# KiCad board PCB0210.kicad_pcb
title: USB ARMORY; date: 2019-06-25; rev: MARK II; company: F-Secure; note: Copyright © F-Secure Corporation; note: License: CERN OHL v1.2; note: https://github.com/inversepath/usbarmory
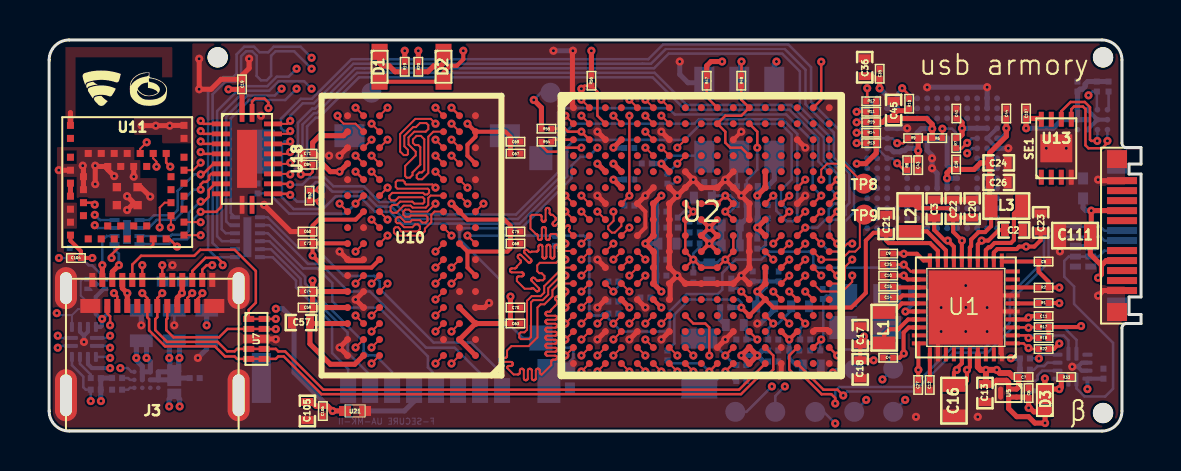
[diagram p0: board, top side]
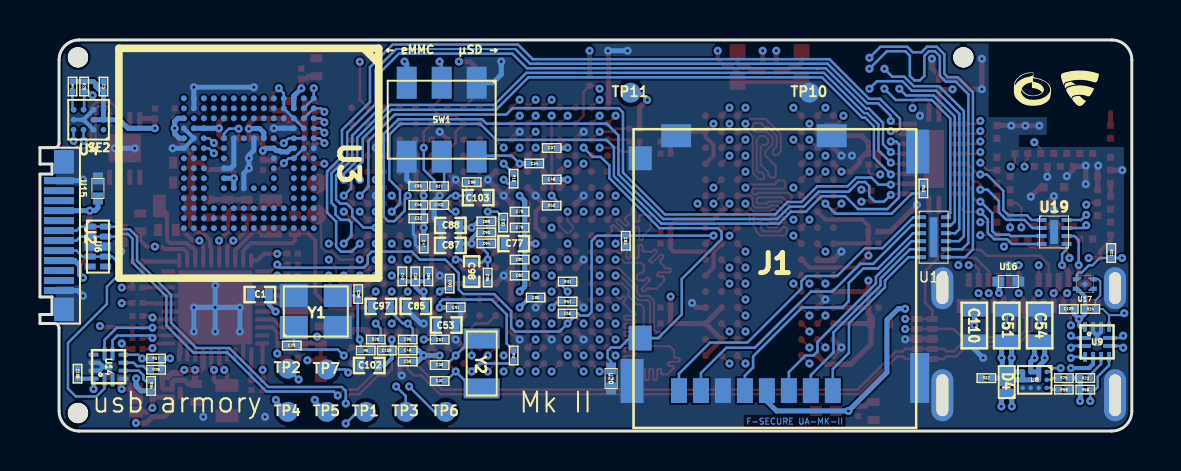
[diagram p1: board, bottom side, seen from below]

Outline 54.63 x 19.57 mm; copper layers: TOP, SIGNAL_1, GND_POWER_1 (plane), GND_POWER_2 (plane), SIGNAL_2, BOTTOM. Coordinates in mm from the lower left corner of the outline.
Outline path: circle c8.43,18.7 r0.5 ; circle c52.73,18.7 r0.5 ; circle c52.73,0.9 r0.5 ; 0,18.57 arc(0.29,19.28) 1,19.57 52.68,19.57 arc(53.38,19.28) 53.68,18.57 53.68,14.41 arc(53.74,14.25) 53.91,14.18 54.63,14.18 54.63,13.36 54.03,13.36 54.03,12.86 54.63,12.86 54.63,6.71 54.03,6.71 54.03,5.83 54.63,5.83 54.63,5.38 53.91,5.38 arc(53.74,5.31) 53.68,5.15 53.68,1 arc(53.38,0.29) 52.68,0 1,0 arc(0.29,0.29) 0,1 0,18.57

## Placement (name value [footprint] x y rotation side)
C1  4.7uF  [SM0402]  43.63 6.83 0 bottom
C2  4.7uF  [SM0402]  48.27 10.06 0 top
C3  4.7uF  [SM0402]  44.28 11.13 90 top
C4  1uF  [SM0201]  41.98 3.67 180 top
C5  0.1uF  [SM0201]  51.45 17.24 90 bottom
C6  0.1uF  [SM0201]  49 1.9 90 top
C7  0.1uF  [SM0201]  48.75 2.7 0 top
C8  1uF  [SM0201]  49.75 8.48 0 top
C9  1uF  [SM0201]  41.98 8.88 180 top
C10  1uF  [SM0201]  41.98 7.78 180 top
C11  0.1uF  [SM0201]  49.75 5.75 0 top
C12  0.1uF  [SM0201]  44.06 2.3 270 top
C13  2.2uF  [SM0402]  46.82 1.9 270 top
C14  1uF  [SM0201]  41.98 6.68 180 top
C15  1uF  [SM0201]  41.98 7.23 180 top
C16  47uF  [SM0603]  45.27 1.52 270 top
C17  10uF  [SM0402]  40.58 4.79 90 top
C18  10uF  [SM0402]  40.58 3.09 270 top
C19  0.1uF  [SM0201]  9.65 17.35 90 top
C20  10uF  [SM0402]  46.18 11.13 90 top
C21  10uF  [SM0402]  41.88 10.37 90 top
C22  10uF  [SM0402]  45.23 11.13 90 top
C23  4.7uF  [SM0402]  49.61 10.44 90 top
C24  10uF  [SM0402]  47.51 13.42 0 top
C25  1uF  [SM0201]  41.98 8.33 180 top
C26  10uF  [SM0402]  47.51 12.44 0 top
C27  0.47uF  [SM0201]  43.48 2.3 270 top
C28  16pF  [SM0201]  38.71 6.86 90 bottom
C29  16pF  [SM0201]  42.03 4.28 0 bottom
C30  18pF  [SM0201]  34.63 3.3 0 bottom
C31  18pF  [SM0201]  34.63 2.5 0 bottom
C33  0.22uF  [SM0201]  35.7 10.64 0 bottom
C34  0.22uF  [SM0201]  29.9 13.39 180 bottom
C35  0.1uF  [SM0201]  41.56 17.88 90 top
C36  4.7uF  [SM0402]  40.81 18.2 90 top
C37  0.22uF  [SM0201]  29.03 14.16 0 bottom
C38  1uF  [SM0201]  35.85 7.74 90 bottom
C39  0.1uF  [SM0201]  45.38 13.34 90 top
C40  0.1uF  [SM0201]  36.5 7.74 90 bottom
C41  0.1uF  [SM0201]  45.39 15.89 90 top
C43  0.1uF  [SM0201]  43.48 13.3 270 top
C44  0.1uF  [SM0201]  47.89 15.89 90 top
C45  10uF  [SM0402]  42.25 16.06 90 top
C46  0.22uF  [SM0201]  35.7 11.31 0 bottom
C47  0.22uF  [SM0201]  35.43 9.38 270 bottom
C48  0.22uF  [SM0201]  29.03 12.59 0 bottom
C49  1uF  [SM0201]  36.23 4.03 0 bottom
C50  1uF  [SM0201]  36.23 3.48 0 bottom
C51  4.7uF  [SM0603]  6.26 5.28 90 bottom
C52  0.1uF  [SM0201]  34.63 4.58 180 bottom
C53  10uF  [SM0402]  34.31 5.3 180 bottom
C54  4.7uF  [SM0603]  4.61 5.28 90 bottom
C55  0.22uF  [SM0201]  35.71 12.25 0 bottom
C57  22uF  [SM0402]  12.6 5.43 180 top
C59  0.22uF  [SM0201]  12.93 6.18 180 top
C60  0.22uF  [SM0201]  12.93 9.98 180 top
C63  0.22uF  [SM0201]  23.33 5.38 0 top
C66  0.22uF  [SM0201]  28.23 5.88 0 bottom
C67  0.22uF  [SM0201]  23.33 13.88 0 top
C68  0.22uF  [SM0201]  23.33 9.38 0 top
C69  0.22uF  [SM0201]  23.33 14.48 0 top
C70  0.22uF  [SM0201]  23.33 6.18 0 top
C71  0.22uF  [SM0201]  12.93 13.88 180 top
C73  0.22uF  [SM0201]  12.93 9.38 180 top
C74  0.22uF  [SM0201]  12.93 6.98 180 top
C75  0.22uF  [SM0201]  23.33 9.98 0 top
C77  22uF  [SM0402]  30.93 9.38 0 bottom
C78  0.22uF  [SM0201]  30.63 10.98 0 bottom
C79  0.22uF  [SM0201]  30.63 10.18 0 bottom
C80  0.22uF  [SM0201]  29.83 6.68 180 bottom
C81  0.22uF  [SM0201]  30.63 8.58 0 bottom
C82  0.22uF  [SM0201]  30.63 7.78 0 bottom
C83  0.22uF  [SM0201]  25.32 9.52 270 bottom
C84  0.22uF  [SM0201]  12.93 13.33 180 top
C85  4.7uF  [SM0402]  35.83 6.24 0 bottom
C86  0.22uF  [SM0201]  35.2 7.74 90 bottom
C87  22uF  [SM0402]  34.1 9.29 0 bottom
C88  4.7uF  [SM0402]  34.1 10.29 0 bottom
C89  0.22uF  [SM0201]  32.3 10.49 180 bottom
C90  0.22uF  [SM0201]  32.3 9.94 180 bottom
C91  0.22uF  [SM0201]  33.83 6.19 180 bottom
C92  0.22uF  [SM0201]  31.46 10.43 270 bottom
C93  0.22uF  [SM0201]  34.13 7.38 90 bottom
C94  0.22uF  [SM0201]  32.3 9.39 180 bottom
C95  0.22uF  [SM0201]  36.23 4.58 0 bottom
C96  0.22uF  [SM0201]  32.23 7.68 270 bottom
C97  10uF  [SM0402]  37.58 6.24 0 bottom
C98  22uF  [SM0402]  33.03 7.98 270 bottom
C99  0.22uF  [SM0201]  33.03 12.45 180 bottom
C100  0.22uF  [SM0201]  37.28 4.03 0 bottom
C101  0.22uF  [SM0201]  34.65 11.31 0 bottom
C102  10uF  [SM0402]  38.16 3.28 0 bottom
C103  22uF  [SM0402]  32.71 11.68 180 bottom
C104  0.1uF  [SM0201]  1.34 8.66 180 top
C105  10uF  [SM0402]  12.92 1 270 top
C106  0.1uF  [SM0201]  13.69 1 270 top
C107  0.1uF  [SM0201]  48.88 15.89 90 top
C108  0.1uF  [SM0201]  52.75 2.87 90 bottom
C109  0.1uF  [SM0201]  3.16 6.11 0 bottom
C110  4.7uF  [SM0603]  7.88 5.28 270 bottom
C111  4.7uF  [SM0603]  51.33 9.78 180 top
D1  WHITE  [SM0603_LED]  16.53 18.23 270 top
D2  BLUE  [SM0603_LED]  19.73 18.23 270 top
D3  NSR20F30NXT5G  [DSN2]  49.82 1.6 90 top
D4  NSR20F30NXT5G  [DSN2]  6.26 2.5 90 bottom
FSC_LOGO_NO_TEXT_SMALL  G***  [FSC_LOGO_NO_TEXT_SMALL]  2.62 17.17 0 top
FSC_LOGO_NO_TEXT_SMALL#2  G***  [FSC_LOGO_NO_TEXT_SMALL]  2.6 17.17 180 bottom
J1  microSD slot  [MOLEX_503182-1852]  17.86 8.38 0 bottom
J2  USBC-PLUG  [WURTH_632712000011]  54.63 9.78 90 bottom
J3  USBC-RECEPTACLE  [MOLEX_105450-0101]  5.16 0.02 0 top
L1  1uH  [SM0603]  41.78 5.17 270 top
L2  1uH  [SM0603]  43.08 10.75 90 top
L3  1uH  [SM0603]  47.89 11.26 180 top
R1  100K  [SM0201]  49.75 6.41 180 top
R2  100K  [SM0201]  49.75 7.18 180 top
R3  10K  [SM0201]  30.93 3.78 270 bottom
R4  10K  [SM0201]  53 17.24 270 bottom
R5  2.2M  [SM0201]  38.33 4.03 180 bottom
R6  10K  [SM0201]  44.44 14.66 0 top
R7  10K  [SM0201]  45.38 14.41 270 top
R8  10K  [SM0201]  42.93 13.3 270 top
R9  10K  [SM0201]  43.23 14.66 180 top
R10  10K  [SM0201]  43.03 16.38 90 top
R11  10K  [SM0201]  41.13 15.98 180 top
R12  10K  [SM0201]  41.13 16.5 180 top
R13  10K  [SM0201]  41.13 14.41 180 top
R14  10K  [SM0201]  41.13 14.93 180 top
R15  10K  [SM0201]  41.13 15.45 180 top
R16  22R  [SM0201]  30.93 12.63 90 bottom
R17  4.7K  [SM0201]  49.75 5.2 180 top
R18  4.7K  [SM0201]  49.75 4.66 180 top
R19  698R  [SM0201]  17.79 18.23 90 top
R20  91R  [SM0201]  18.47 18.23 90 top
R21  10K  [SM0201]  1.03 8.91 90 bottom
R22  100K  [SM0201]  49.75 4.11 180 top
R23  10K  [SM0201]  2.33 2.65 180 bottom
R24  10K  [SM0201]  2.08 6.11 180 bottom
R25  10K  [SM0201]  3.4 2.65 0 bottom
R26  10K  [SM0201]  37.83 4.58 0 bottom
R27  10K  [SM0201]  34.66 12.25 180 bottom
R28  10K  [SM0201]  48.82 3.07 0 bottom
R29  10K  [SM0201]  52.42 17.24 270 bottom
R31  10K  [SM0201]  28.23 7.48 180 bottom
R32  100K  [SM0201]  7.28 2.65 0 bottom
R33  100K  [SM0201]  50.89 2.7 0 top
R34  1M  [SM0201]  49.07 2.26 90 bottom
R47  10K  [SM0201]  32.9 17.53 90 top
R48  10K  [SM0201]  34.63 17.53 90 top
R50  10K  [SM0201]  29.03 11.28 0 bottom
R51  240R  [SM0201]  28.23 6.48 180 bottom
R52  470R  [SM0201]  13.03 11.78 90 top
R53  240R  [SM0201]  10.43 12.14 90 bottom
R54  22R  [SM0201]  24.88 14.48 0 top
R55  10K  [SM0201]  24.88 15.13 0 top
R56  10K  [SM0201]  27.13 17.53 270 top
R57  10K  [SM0201]  48.82 3.63 0 bottom
R58  10K  [SM0201]  2.33 2.07 180 bottom
R59  33K  [SM0201]  3.4 2.07 180 bottom
Ref**  Val**  [IP_LOGO_NO_TEXT_SMALL]  3.9 17.11 0 top
REF**  -  [MountingHole_1mm]  52.73 18.7 0 top
REF**#2  -  [MountingHole_1mm]  8.43 18.7 0 top
Ref**#2  Val**  [IP_LOGO_NO_TEXT_SMALL]  6.04 17.11 180 bottom
REF**#3  -  [MountingHole_1mm]  52.73 0.9 0 top
SW1  CAS-220TA  [CAS-220-A]  34.53 15.58 0 bottom
TP1  TestPoint  [TP]  38.33 0.95 0 bottom
TP2  TestPoint  [TP]  42.23 3.12 0 bottom
TP3  TestPoint  [TP]  36.33 0.96 0 bottom
TP4  TestPoint  [TP]  42.23 0.96 0 bottom
TP5  TestPoint  [TP]  40.28 0.96 0 bottom
TP6  TestPoint  [TP]  34.33 0.96 0 bottom
TP7  TestPoint  [TP]  40.28 3.08 0 bottom
TP8  TestPoint  [TP]  40.76 12.38 0 top
TP9  TestPoint  [TP]  40.78 10.83 0 top
TP10  TestPoint  [TP]  16.13 16.93 0 bottom
TP11  TestPoint  [TP]  25.08 16.93 0 bottom
U1  MC34PF1510A6EP  [SOT1369-4]  45.87 6.19 180 top
U2  MX6UL-VM  [SOT1534-2]  32.63 9.78 0 top
U3  EMMC16G  [FBGA-153]  44.18 13.4 270 bottom
U4  A71CH  [SOT1999-1]  52.2 15.58 0 bottom
U5  FPF2286UCX  [WLCSP-6]  48 1.9 270 top
U6  TPD4E05U06-Q1  [DQA-USON-10]  51.73 9.23 270 bottom
U7  TPD4E05U06-Q1  [DQA-USON-10]  10.37 4.61 270 top
U8  NX5P3090  [SOT1390-5]  4.86 2.56 0 bottom
U9  FUSB303  [RWB-QFN-12]  1.74 4.46 180 bottom
U10  MT41K256M16  [MICRON-FBGA-96]  22.63 16.78 180 top
U11  -  [ANNA-B112]  0.66 9.2 0 top
U12  TPD6F003  [WSON-12]  9.92 9.7 180 bottom
U13  ATECC608A  [UDFN-8]  50.39 14.15 0 top
U14  TUSB320  [RWB-QFN-12]  51.2 3.22 90 bottom
U15  TPD1E10B06  [X1SON-2]  51.73 12.14 90 bottom
U16  TPD1E10B06  [X1SON-2]  6.18 7.48 180 bottom
U17  SN74LVC1G04  [X2SON-4]  2.36 7.36 0 bottom
U18  FSA1208  [MLP-20]  9.9 13.62 270 top
U19  TPD8E003  [WSON-8]  3.89 9.96 180 bottom
U20  TPD1E10B06  [X1SON-2]  26.06 2.63 270 bottom
U21  TPD1E10B06  [X1SON-2]  15.31 1 0 top
Y1  24MHz  [TSX-3225]  40.83 5.98 180 bottom
Y2  32.768kHz  [CM7V-T1A]  32.53 3.38 270 bottom

## Footprints (pads in the part's own frame, mm; a bottom-side part is the same pattern mirrored in y, then rotated)
ANNA-B112
  rect 0.35x0.35 smd: 1(0.41,6.09) 2(0.41,5.44) 3(0.41,4.498) 4(0.41,3.848) 5(0.41,3.198) 6(0.41,2.548) 7(0.41,1.898) 8(0.41,1.248) 9(0.41,0.598) 10(1.06,3.523) 11(1.06,2.873) 12(1.06,2.223) 13(1.06,1.573) 14(1.3,0.41) 15(1.95,0.41) 16(2.6,0.41) 17(3.25,0.41) 18(3.9,0.41) 19(4.55,0.41) 20(5.2,0.41) 21(2.275,1.06) 22(2.925,1.06) 23(3.575,1.06) 24(4.225,1.06) 25(6.09,0.598) 26(6.09,1.248) 27(6.09,1.898) 28(6.09,2.548) 29(6.09,3.198) 30(6.09,3.848) 31(6.09,4.498) 32(6.09,5.44) 33(6.09,6.09) 34(5.44,1.573) 35(5.44,2.223) 36(5.44,2.873) 37(5.44,3.523) 38(5.2,4.685) 39(4.55,4.685) 40(3.9,4.685) 41(3.25,4.685) 42(2.6,4.685) 43(1.95,4.685) 44(1.3,4.685) 45(4.225,4.035) 46(3.575,4.035) 47(2.925,4.035) 48(2.275,4.035)
  rect 0.42x0.42 smd: 49(2.73,2.998) 50(2.73,2.098) 51(3.77,2.098) 52(3.77,2.998)
CAS-220-A
  rect 1x1.6 smd: 1(-1.75,-1.85) 2(0,-1.85) 3(1.75,-1.85) 4(-1.75,1.85) 5(0,1.85) 6(1.75,1.85)
CM7V-T1A
  rect 1x1.8 smd: 1(-1.25,0) 2(1.25,0)
DQA-USON-10
  rect 0.3x0.55 smd: 1(-1,-0.385) 2(-0.5,-0.385) 4(0.5,-0.385) 5(1,-0.385) 6(1,0.385) 7(0.5,0.385) 9(-0.5,0.385) 10(-1,0.385)
  rect 0.4x0.55 smd: 3(0,-0.385) 8(0,0.385)
DSN2
  rect 0.52x0.7 smd: 1(-0.64,0)
  rect 1.05x0.7 smd: 2(0.275,0)
FBGA-153
  round 0.3 smd: A1(-3.25,3.25) A2(-2.75,3.25) A3(-2.25,3.25) A4(-1.75,3.25) A5(-1.25,3.25) A6(-0.75,3.25) A7(-0.25,3.25) A8(0.25,3.25) A9(0.75,3.25) A10(1.25,3.25) A11(1.75,3.25) A12(2.25,3.25) A13(2.75,3.25) A14(3.25,3.25) B1(-3.25,2.75) B2(-2.75,2.75) B3(-2.25,2.75) B4(-1.75,2.75) B5(-1.25,2.75) B6(-0.75,2.75) B7(-0.25,2.75) B8(0.25,2.75) B9(0.75,2.75) B10(1.25,2.75) B11(1.75,2.75) B12(2.25,2.75) B13(2.75,2.75) B14(3.25,2.75) C1(-3.25,2.25) C2(-2.75,2.25) C3(-2.25,2.25) C4(-1.75,2.25) C5(-1.25,2.25) C6(-0.75,2.25) C7(-0.25,2.25) C8(0.25,2.25) C9(0.75,2.25) C10(1.25,2.25) C11(1.75,2.25) C12(2.25,2.25) C13(2.75,2.25) C14(3.25,2.25) D1(-3.25,1.75) D2(-2.75,1.75) D3(-2.25,1.75) D4(-1.75,1.75) D12(2.25,1.75) D13(2.75,1.75) D14(3.25,1.75) E1(-3.25,1.25) E2(-2.75,1.25) E3(-2.25,1.25) E5(-1.25,1.25) E6(-0.75,1.25) E7(-0.25,1.25) E8(0.25,1.25) E9(0.75,1.25) E10(1.25,1.25) E12(2.25,1.25) E13(2.75,1.25) E14(3.25,1.25) F1(-3.25,0.75) F2(-2.75,0.75) F3(-2.25,0.75) F5(-1.25,0.75) F10(1.25,0.75) F12(2.25,0.75) F13(2.75,0.75) F14(3.25,0.75) G1(-3.25,0.25) G2(-2.75,0.25) G3(-2.25,0.25) G5(-1.25,0.25) G10(1.25,0.25) G12(2.25,0.25) G13(2.75,0.25) G14(3.25,0.25) H1(-3.25,-0.25) H2(-2.75,-0.25) H3(-2.25,-0.25) H5(-1.25,-0.25) H10(1.25,-0.25) H12(2.25,-0.25) H13(2.75,-0.25) H14(3.25,-0.25) J1(-3.25,-0.75) J2(-2.75,-0.75) J3(-2.25,-0.75) J5(-1.25,-0.75) J10(1.25,-0.75) J12(2.25,-0.75) J13(2.75,-0.75) J14(3.25,-0.75) K1(-3.25,-1.25) K2(-2.75,-1.25) K3(-2.25,-1.25) K5(-1.25,-1.25) K6(-0.75,-1.25) K7(-0.25,-1.25) K8(0.25,-1.25) K9(0.75,-1.25) K10(1.25,-1.25) K12(2.25,-1.25) K13(2.75,-1.25) K14(3.25,-1.25) L1(-3.25,-1.75) L2(-2.75,-1.75) L3(-2.25,-1.75) L12(2.25,-1.75) L13(2.75,-1.75) L14(3.25,-1.75) M1(-3.25,-2.25) M2(-2.75,-2.25) M3(-2.25,-2.25) M4(-1.75,-2.25) M5(-1.25,-2.25) M6(-0.75,-2.25) M7(-0.25,-2.25) M8(0.25,-2.25) M9(0.75,-2.25) M10(1.25,-2.25) M11(1.75,-2.25) M12(2.25,-2.25) M13(2.75,-2.25) M14(3.25,-2.25) N1(-3.25,-2.75) N2(-2.75,-2.75) N3(-2.25,-2.75) N4(-1.75,-2.75) N5(-1.25,-2.75) N6(-0.75,-2.75) N7(-0.25,-2.75) N8(0.25,-2.75) N9(0.75,-2.75) N10(1.25,-2.75) N11(1.75,-2.75) N12(2.25,-2.75) N13(2.75,-2.75) N14(3.25,-2.75) P1(-3.25,-3.25) P2(-2.75,-3.25) P3(-2.25,-3.25) P4(-1.75,-3.25) P5(-1.25,-3.25) P6(-0.75,-3.25) P7(-0.25,-3.25) P8(0.25,-3.25) P9(0.75,-3.25) P10(1.25,-3.25) P11(1.75,-3.25) P12(2.25,-3.25) P13(2.75,-3.25) P14(3.25,-3.25)
MICRON-FBGA-96
  round 0.35 smd: A1(1.3,13) A2(2.1,13) A3(2.9,13) A7(6.1,13) A8(6.9,13) A9(7.7,13) B1(1.3,12.2) B2(2.1,12.2) B3(2.9,12.2) B7(6.1,12.2) B8(6.9,12.2) B9(7.7,12.2) C1(1.3,11.4) C2(2.1,11.4) C3(2.9,11.4) C7(6.1,11.4) C8(6.9,11.4) C9(7.7,11.4) D1(1.3,10.6) D2(2.1,10.6) D3(2.9,10.6) D7(6.1,10.6) D8(6.9,10.6) D9(7.7,10.6) E1(1.3,9.8) E2(2.1,9.8) E3(2.9,9.8) E7(6.1,9.8) E8(6.9,9.8) E9(7.7,9.8) F1(1.3,9) F2(2.1,9) F3(2.9,9) F7(6.1,9) F8(6.9,9) F9(7.7,9) G1(1.3,8.2) G2(2.1,8.2) G3(2.9,8.2) G7(6.1,8.2) G8(6.9,8.2) G9(7.7,8.2) H1(1.3,7.4) H2(2.1,7.4) H3(2.9,7.4) H7(6.1,7.4) H8(6.9,7.4) H9(7.7,7.4) J1(1.3,6.6) J2(2.1,6.6) J3(2.9,6.6) J7(6.1,6.6) J8(6.9,6.6) J9(7.7,6.6) K1(1.3,5.8) K2(2.1,5.8) K3(2.9,5.8) K7(6.1,5.8) K8(6.9,5.8) K9(7.7,5.8) L1(1.3,5) L2(2.1,5) L3(2.9,5) L7(6.1,5) L8(6.9,5) L9(7.7,5) M1(1.3,4.2) M2(2.1,4.2) M3(2.9,4.2) M7(6.1,4.2) M8(6.9,4.2) M9(7.7,4.2) N1(1.3,3.4) N2(2.1,3.4) N3(2.9,3.4) N7(6.1,3.4) N8(6.9,3.4) N9(7.7,3.4) P1(1.3,2.6) P2(2.1,2.6) P3(2.9,2.6) P7(6.1,2.6) P8(6.9,2.6) P9(7.7,2.6) R1(1.3,1.8) R2(2.1,1.8) R3(2.9,1.8) R7(6.1,1.8) R8(6.9,1.8) R9(7.7,1.8) T1(1.3,1) T2(2.1,1) T3(2.9,1) T7(6.1,1) T8(6.9,1) T9(7.7,1)
MLP-20
  rect 0.9x0.24 smd: 1(-2.3,-0.25) 10(2.3,-0.25) 11(2.3,0.25) 20(-2.3,0.25)
  rect 0.24x0.9 smd: 2(-1.75,-1.3) 3(-1.25,-1.3) 4(-0.75,-1.3) 5(-0.25,-1.3) 6(0.25,-1.3) 7(0.75,-1.3) 8(1.25,-1.3) 9(1.75,-1.3) 12(1.75,1.3) 13(1.25,1.3) 14(0.75,1.3) 15(0.25,1.3) 16(-0.25,1.3) 17(-0.75,1.3) 18(-1.25,1.3) 19(-1.75,1.3)
  rect 2.9x1 smd: 21(0,0)
MOLEX_105450-0101
  rect 0.3x0.7 smd: A1(-3,7.54) A2(-2.5,7.54) A3(-2,7.54) A4(-1.5,7.54) A5(-1,7.54) A6(-0.5,7.54) A7(0.5,7.54) A8(1,7.54) A9(1.5,7.54) A10(2,7.54) A11(2.5,7.54) A12(3,7.54) B2(2.25,6.24) B3(1.75,6.24) B4(1.25,6.24) B5(0.75,6.24) B6(0.25,6.24) B7(-0.25,6.24) B8(-0.75,6.24) B9(-1.25,6.24) B10(-1.75,6.24) B11(-2.25,6.24)
  rect 1x0.7 smd: B1(3.1,6.24) B12(-3.1,6.24)
  oval 1.1x2.1 hole 0.6x1.6: S(-4.32,7.13) S(4.32,7.13)
  oval 1.1x2.6 hole 0.6x2.1: S(-4.32,1.77) S(4.32,1.77)
MOLEX_503182-1852
  rect 0.8x1.24 smd: 1(-2.9,6.355) 2(-1.8,6.355) 3(-0.7,6.355) 4(0.4,6.355) 5(1.5,6.355) 6(2.6,6.355) 7(3.7,6.355) 8(4.8,6.355)
  rect 1.16x1.2 smd: DT(6.74,-5.275)
  rect 0.95x2.5 smd: P1(-7.245,5.725)
  rect 1.15x2.2 smd: P2(7.145,5.875) P3(-7.145,-5.605)
  rect 1.5x1.15 smd: P4(-2.84,-6.4) P5(4.94,-6.4)
  rect 1.16x1.25 smd: SW(6.74,3.725)
MountingHole_1mm
  round 1 hole 1 unplated: (0,0)
RWB-QFN-12
  rrect 0.7x0.2 smd: 1(-0.65,0.2) 2(-0.65,-0.2) 7(0.65,-0.2) 8(0.65,0.2)
  rrect 0.2x0.5 smd: 3(-0.6,-0.75) 4(-0.2,-0.75) 5(0.2,-0.75) 6(0.6,-0.75) 9(0.6,0.75) 10(0.2,0.75) 11(-0.2,0.75) 12(-0.6,0.75)
SM0201
  rect 0.3x0.3 smd: 1(-0.25,0) 2(0.25,0)
SM0402
  rect 0.399x0.599 smd: 1(-0.45,0) 2(0.45,0)
SM0603
  rect 0.635x1.143 smd: 1(-0.762,0) 2(0.762,0)
SM0603_LED
  rect 0.8x0.8 smd: 1(-0.75,0) 2(0.75,0)
SOT1369-4
  rect 0.7x0.2 smd: 1(-2.35,1.8) 2(-2.35,1.4) 3(-2.35,1) 4(-2.35,0.6) 5(-2.35,0.2) 6(-2.35,-0.2) 7(-2.35,-0.6) 8(-2.35,-1) 9(-2.35,-1.4) 10(-2.35,-1.8) 21(2.35,-1.8) 22(2.35,-1.4) 23(2.35,-1) 24(2.35,-0.6) 25(2.35,-0.2) 26(2.35,0.2) 27(2.35,0.6) 28(2.35,1) 29(2.35,1.4) 30(2.35,1.8)
  rect 0.2x0.7 smd: 11(-1.8,-2.35) 12(-1.4,-2.35) 13(-1,-2.35) 14(-0.6,-2.35) 15(-0.2,-2.35) 16(0.2,-2.35) 17(0.6,-2.35) 18(1,-2.35) 19(1.4,-2.35) 20(1.8,-2.35) 31(1.8,2.35) 32(1.4,2.35) 33(1,2.35) 34(0.6,2.35) 35(0.2,2.35) 36(-0.2,2.35) 37(-0.6,2.35) 38(-1,2.35) 39(-1.4,2.35) 40(-1.8,2.35)
  rect 3.7x3.7 smd: 41(0,0)
SOT1390-5
  round 0.23 smd: A1(-0.6,-0.4) A2(-0.6,0) A3(-0.6,0.4) B1(-0.2,-0.4) B2(-0.2,0) B3(-0.2,0.4) C1(0.2,-0.4) C2(0.2,0) C3(0.2,0.4) D1(0.6,-0.4) D2(0.6,0) D3(0.6,0.4)
SOT1534-2
  round 0.35 smd: A1(-6.4,6.4) A2(-5.6,6.4) A3(-4.8,6.4) A4(-4,6.4) A5(-3.2,6.4) A6(-2.4,6.4) A7(-1.6,6.4) A8(-0.8,6.4) A9(0,6.4) A10(0.8,6.4) A11(1.6,6.4) A12(2.4,6.4) A13(3.2,6.4) A14(4,6.4) A15(4.8,6.4) A16(5.6,6.4) A17(6.4,6.4) B1(-6.4,5.6) B2(-5.6,5.6) B3(-4.8,5.6) B4(-4,5.6) B5(-3.2,5.6) B6(-2.4,5.6) B7(-1.6,5.6) B8(-0.8,5.6) B9(0,5.6) B10(0.8,5.6) B11(1.6,5.6) B12(2.4,5.6) B13(3.2,5.6) B14(4,5.6) B15(4.8,5.6) B16(5.6,5.6) B17(6.4,5.6) C1(-6.4,4.8) C2(-5.6,4.8) C3(-4.8,4.8) C4(-4,4.8) C5(-3.2,4.8) C6(-2.4,4.8) C7(-1.6,4.8) C8(-0.8,4.8) C9(0,4.8) C10(0.8,4.8) C11(1.6,4.8) C12(2.4,4.8) C13(3.2,4.8) C14(4,4.8) C15(4.8,4.8) C16(5.6,4.8) C17(6.4,4.8) D1(-6.4,4) D2(-5.6,4) D3(-4.8,4) D4(-4,4) D5(-3.2,4) D6(-2.4,4) D7(-1.6,4) D8(-0.8,4) D9(0,4) D10(0.8,4) D11(1.6,4) D12(2.4,4) D13(3.2,4) D14(4,4) D15(4.8,4) D16(5.6,4) D17(6.4,4) E1(-6.4,3.2) E2(-5.6,3.2) E3(-4.8,3.2) E4(-4,3.2) E5(-3.2,3.2) E6(-2.4,3.2) E7(-1.6,3.2) E8(-0.8,3.2) E9(0,3.2) E10(0.8,3.2) E11(1.6,3.2) E12(2.4,3.2) E13(3.2,3.2) E14(4,3.2) E15(4.8,3.2) E16(5.6,3.2) E17(6.4,3.2) F1(-6.4,2.4) F2(-5.6,2.4) F3(-4.8,2.4) F4(-4,2.4) F5(-3.2,2.4) F6(-2.4,2.4) F7(-1.6,2.4) F8(-0.8,2.4) F9(0,2.4) F10(0.8,2.4) F11(1.6,2.4) F12(2.4,2.4) F13(3.2,2.4) F14(4,2.4) F15(4.8,2.4) F16(5.6,2.4) F17(6.4,2.4) G1(-6.4,1.6) G2(-5.6,1.6) G3(-4.8,1.6) G4(-4,1.6) G5(-3.2,1.6) G6(-2.4,1.6) G7(-1.6,1.6) G8(-0.8,1.6) G9(0,1.6) G10(0.8,1.6) G11(1.6,1.6) G12(2.4,1.6) G13(3.2,1.6) G14(4,1.6) G15(4.8,1.6) G16(5.6,1.6) G17(6.4,1.6) H1(-6.4,0.8) H2(-5.6,0.8) H3(-4.8,0.8) H4(-4,0.8) H5(-3.2,0.8) H6(-2.4,0.8) H7(-1.6,0.8) H8(-0.8,0.8) H9(0,0.8) H10(0.8,0.8) H11(1.6,0.8) H12(2.4,0.8) H13(3.2,0.8) H14(4,0.8) H15(4.8,0.8) H16(5.6,0.8) H17(6.4,0.8) J1(-6.4,0) J2(-5.6,0) J3(-4.8,0) J4(-4,0) J5(-3.2,0) J6(-2.4,0) J7(-1.6,0) J8(-0.8,0) J9(0,0) J10(0.8,0) J11(1.6,0) J12(2.4,0) J13(3.2,0) J14(4,0) J15(4.8,0) J16(5.6,0) J17(6.4,0) K1(-6.4,-0.8) K2(-5.6,-0.8) K3(-4.8,-0.8) K4(-4,-0.8) K5(-3.2,-0.8) K6(-2.4,-0.8) K7(-1.6,-0.8) K8(-0.8,-0.8) K9(0,-0.8) K10(0.8,-0.8) K11(1.6,-0.8) K12(2.4,-0.8) K13(3.2,-0.8) K14(4,-0.8) K15(4.8,-0.8) K16(5.6,-0.8) K17(6.4,-0.8) L1(-6.4,-1.6) L2(-5.6,-1.6) L3(-4.8,-1.6) L4(-4,-1.6) L5(-3.2,-1.6) L6(-2.4,-1.6) L7(-1.6,-1.6) L8(-0.8,-1.6) L9(0,-1.6) L10(0.8,-1.6) L11(1.6,-1.6) L12(2.4,-1.6) L13(3.2,-1.6) L14(4,-1.6) L15(4.8,-1.6) L16(5.6,-1.6) L17(6.4,-1.6) M1(-6.4,-2.4) M2(-5.6,-2.4) M3(-4.8,-2.4) M4(-4,-2.4) M5(-3.2,-2.4) M6(-2.4,-2.4) M7(-1.6,-2.4) M8(-0.8,-2.4) M9(0,-2.4) M10(0.8,-2.4) M11(1.6,-2.4) M12(2.4,-2.4) M13(3.2,-2.4) M14(4,-2.4) M15(4.8,-2.4) M16(5.6,-2.4) M17(6.4,-2.4) N1(-6.4,-3.2) N2(-5.6,-3.2) N3(-4.8,-3.2) N4(-4,-3.2) N5(-3.2,-3.2) N6(-2.4,-3.2) N7(-1.6,-3.2) N8(-0.8,-3.2) N9(0,-3.2) N10(0.8,-3.2) N11(1.6,-3.2) N12(2.4,-3.2) N13(3.2,-3.2) N14(4,-3.2) N15(4.8,-3.2) N16(5.6,-3.2) N17(6.4,-3.2) P1(-6.4,-4) P2(-5.6,-4) P3(-4.8,-4) P4(-4,-4) P5(-3.2,-4) P6(-2.4,-4) P7(-1.6,-4) P8(-0.8,-4) P9(0,-4) P10(0.8,-4) P11(1.6,-4) P12(2.4,-4) P13(3.2,-4) P14(4,-4) P15(4.8,-4) P16(5.6,-4) P17(6.4,-4) R1(-6.4,-4.8) R2(-5.6,-4.8) R3(-4.8,-4.8) R4(-4,-4.8) R5(-3.2,-4.8) R6(-2.4,-4.8) R7(-1.6,-4.8) R8(-0.8,-4.8) R9(0,-4.8) R10(0.8,-4.8) R11(1.6,-4.8) R12(2.4,-4.8) R13(3.2,-4.8) R14(4,-4.8) R15(4.8,-4.8) R16(5.6,-4.8) R17(6.4,-4.8) T1(-6.4,-5.6) T2(-5.6,-5.6) T3(-4.8,-5.6) T4(-4,-5.6) T5(-3.2,-5.6) T6(-2.4,-5.6) T7(-1.6,-5.6) T8(-0.8,-5.6) T9(0,-5.6) T10(0.8,-5.6) T11(1.6,-5.6) T12(2.4,-5.6) T13(3.2,-5.6) T14(4,-5.6) T15(4.8,-5.6) T16(5.6,-5.6) T17(6.4,-5.6) U1(-6.4,-6.4) U2(-5.6,-6.4) U3(-4.8,-6.4) U4(-4,-6.4) U5(-3.2,-6.4) U6(-2.4,-6.4) U7(-1.6,-6.4) U8(-0.8,-6.4) U9(0,-6.4) U10(0.8,-6.4) U11(1.6,-6.4) U12(2.4,-6.4) U13(3.2,-6.4) U14(4,-6.4) U15(4.8,-6.4) U16(5.6,-6.4) U17(6.4,-6.4)
SOT1999-1
  round 0.29 smd: A1(-0.75,0.5) A2(-0.25,0.5) A3(0.25,0.5) A4(0.75,0.5) B1(-0.75,0) B2(-0.25,0) B3(0.25,0) B4(0.75,0) C1(-0.75,-0.5) C2(-0.25,-0.5) C3(0.25,-0.5) C4(0.75,-0.5)
TP
  round 1 smd: 1(0,0)
TSX-3225
  rect 1.4x1.15 smd: 1(-1.1,-0.8) 2(1.1,-0.8) 3(1.1,0.8) 4(-1.1,0.8)
UDFN-8
  rect 0.25x0.75 smd: 1(-0.75,-1.45) 2(-0.25,-1.45) 3(0.25,-1.45) 4(0.75,-1.45) 5(0.75,1.45) 6(0.25,1.45) 7(-0.25,1.45) 8(-0.75,1.45)
  rect 1.6x1.4 smd: T(0,0)
WLCSP-6
  round 0.215 smd: A1(-0.2,0.4) A2(0.2,0.4) B1(-0.2,0) B2(0.2,0) C1(-0.2,-0.4) C2(0.2,-0.4)
WSON-8
  rect 0.5x0.2 smd: 1(-0.625,0.6) 2(-0.625,0.2) 3(-0.625,-0.2) 4(-0.625,-0.6) 5(0.625,-0.6) 6(0.625,-0.2) 7(0.625,0.2) 8(0.625,0.6)
  rect 0.4x1.2 smd: GND(0,0)
WSON-12
  rect 0.5x0.2 smd: 1(-0.625,1) 2(-0.625,0.6) 3(-0.625,0.2) 4(-0.625,-0.2) 5(-0.625,-0.6) 6(-0.625,-1) 7(0.625,-1) 8(0.625,-0.6) 9(0.625,-0.2) 10(0.625,0.2) 11(0.625,0.6) 12(0.625,1)
  rect 0.4x2 smd: 13(0,0)
WURTH_632712000011
  rect 0.35x1.5 smd: A1(-2.75,-0.95) A2(-2.25,-0.95) A3(-1.75,-0.95) A4(-1.25,-0.95) A5(-0.75,-0.95) A6(-0.25,-0.95) A7(0.25,-0.95) A8(0.75,-0.95) A9(1.25,-0.95) A10(1.75,-0.95) A11(2.25,-0.95) A12(2.75,-0.95)
  rect 0.35x1.5 smd far side: B1(2.75,-0.95) B2(2.25,-0.95) B3(1.75,-0.95) B4(1.25,-0.95) B5(0.75,-0.95) B8(-0.75,-0.95) B9(-1.25,-0.95) B10(-1.75,-0.95) B11(-2.25,-0.95) B12(-2.75,-0.95)
  rect 0.9x1 smd far side: S(-3.825,-1.2) S(3.825,-1.2)
  rect 1.18x1 smd: S(-3.69,-1.2) S(3.69,-1.2)
X1SON-2
  rect 0.6x0.5 smd: 1(-0.5,0) 2(0.5,0)
X2SON-4
  custom 0.42x0.22 smd: 1(-0.39,0.24) 2(-0.39,-0.24) 4(0.39,-0.24) 5(0.39,0.24)
  rect 0.25x0.25 smd rot 45: 3(0,0)

## Nets
/eMMC/VDDI: C35.1 C36.1 U3.C1 U3.C2
/Power/VDD_ARM_CAP: C99.1 C101.1 C103.1 U2.G9 U2.G10 U2.G11 U2.H11
/Power/VDD_SNVS_CAP: C93.1 U2.N12
/Power/VDD_SOC_CAP: C92.1 C94.1 C96.1 C98.1 U2.G8 U2.H8 U2.J8 U2.J11 U2.K8 U2.K11 U2.L8 U2.L9 U2.L10 U2.L11
/USB/VDD_USB_CAP: C52.1 C53.1 U2.R12
GND: C1.2 C2.2 C3.2 C4.2 C5.2 C6.2 C7.2 C8.2 C9.2 C10.2 C11.2 C12.2 C13.2 C14.2 C15.2 C16.2 C17.2 C18.2 C19.2 C20.2 C21.2 C22.2 C23.2 C24.2 C25.2 C26.2 C27.2 C28.2 C29.2 C30.2 C31.2 C33.2 C34.2 C35.2 C36.2 C37.2 C38.2 C39.2 C40.2 C41.2 C43.2 C44.2 C45.2 C46.2 C47.2 C48.2 C49.2 C50.2 C51.2 C52.2 C53.2 C54.2 C55.2 C57.2 C59.2 C60.2 C63.2 C66.2 C67.2 C68.2 C69.2 C70.2 C71.2 C73.2 C74.2 C75.2 C77.2 C78.2 C79.2 C80.2 C81.2 C82.2 C83.2 C84.2 C85.2 C86.2 C87.2 C88.2 C89.2 C90.2 C91.2 C92.2 C93.2 C94.2 C95.2 C96.2 C97.2 C98.2 C99.2 C100.2 C101.2 C102.2 C103.2 C104.2 C105.2 C106.2 C107.2 C108.2 C109.2 C110.2 C111.2 J1.6 J1.DT J1.P1 J1.P2 J1.P3 J1.P4 J1.P5 J2.A1 J2.A12 J2.B1 J2.B12 J2.S J3.A1 J3.A12 J3.B1 J3.B12 J3.S R5.2 R21.2 R26.2 R31.2 R32.2 R33.2 R50.2 R51.2 R53.2 R59.2 SW1.1 SW1.6 TP10.1 U1.5 U1.7 U1.32 U1.40 U1.41 U2.A1 U2.A17 U2.C3 U2.C7 U2.C11 U2.C15 U2.E8 U2.E11 U2.F6 U2.F7 U2.F8 U2.F9 U2.F10 U2.F11 U2.F12 U2.G3 U2.G5 U2.G7 U2.G12 U2.G15 U2.H7 U2.H12 U2.J5 U2.J7 U2.J12 U2.K7 U2.K12 U2.L3 U2.L7 U2.L12 U2.M7 U2.M8 U2.M9 U2.M10 U2.M11 U2.M12 U2.N3 U2.N5 U2.N7 U2.R3 U2.R5 U2.R7 U2.R11 U2.R16 U2.R17 U2.T10 U2.T14 U2.U1 U2.U14 U2.U17 U3.A6 U3.C4 U3.D4 U3.E7 U3.G5 U3.H10 U3.J5 U3.K8 U3.N1 U3.N2 U3.N5 U3.P4 U3.P6 U4.A2 U4.B3 U4.B4 U4.C2 U5.C1 U5.C2 U6.3 U6.8 U7.3 U7.8 U8.B3 U8.C3 U8.D3 U9.10 U9.11 U10.A9 U10.B1 U10.B3 U10.B9 U10.D1 U10.D8 U10.E1 U10.E2 U10.E8 U10.F9 U10.G1 U10.G8 U10.G9 U10.J2 U10.J8 U10.M1 U10.M9 U10.P1 U10.P9 U10.T1 U10.T9 U11.4 U11.7 U11.8 U11.10 U11.11 U11.32 U11.33 U11.41 U11.42 U11.43 U11.44 U11.46 U11.47 U11.48 U11.49 U11.50 U11.51 U11.52 U12.13 U13.4 U13.T U14.3 U14.10 U14.11 U15.2 U16.2 U17.3 U18.10 U18.21 U19.GND U20.2 U21.2 Y1.2 Y1.4
VDD_ARM_SOC_IN: C17.1 C18.1 C87.1 C88.1 C89.1 C90.1 L1.2 U1.27 U2.H9 U2.H10 U2.J9 U2.J10 U2.K9 U2.K10
VDD_HIGH_CAP: C80.1 C100.1 C102.1 U2.N6 U2.R14 U2.R15
/Bluetooth/ANT_INT: U11.5 U11.6
/Bluetooth/ANT_PCB: U11.1
/Boot/BT_CFG1[0]: U2.B9
/Boot/BT_CFG1[1]: U2.A9
/Boot/BT_CFG1[2]: U2.E10
/Boot/BT_CFG1[3]: U2.D10
/Boot/BT_CFG1[4]: U2.C10
/Boot/BT_CFG1[5]: R48.1 U2.A12 U2.B10 U2.D12
/Boot/BT_CFG1[6]: R47.1 U2.A10
/Boot/BT_CFG1[7]: U2.D11
/Boot/BT_CFG2[0]: U2.B11
/Boot/BT_CFG2[1]: U2.A11
/Boot/BT_CFG2[2]: U2.E12
/Boot/BT_CFG2[4]: U2.C12
/Boot/BT_CFG2[5]: R27.1 U2.B12
/Boot/BT_CFG2[7]: U2.D13
/Boot/BT_CFG4[0]: U2.C13
/Boot/BT_CFG4[1]: U2.B13
/Boot/BT_CFG4[2]: U2.A13
/Boot/BT_CFG4[3]: U2.D14
/Boot/BT_CFG4[4]: U2.C14
/Boot/BT_CFG4[5]: U2.B14
/Boot/BT_CFG4[6]: U2.A14
/Boot/BT_CFG4[7]: U2.B16
/Crystals/JTAG_MOD: R26.1 TP7.1 U2.P15
/Crystals/JTAG_nSRST: TP1.1 U2.P8
/Crystals/JTAG_nTRST: TP6.1 U2.N14
/Crystals/JTAG_TCK: TP2.1 U2.M14
/Crystals/JTAG_TDI: TP4.1 U2.N16
/Crystals/JTAG_TDO: TP5.1 U2.N15
/Crystals/JTAG_TMS: TP3.1 U2.P14
/Crystals/RTC_XTALI: C30.1 U2.T11 Y2.1
/Crystals/RTC_XTALO: C31.1 U2.U11 Y2.2
/Crystals/XTALI: C28.1 R5.1 U2.T16 Y1.3
/Crystals/XTALO: C29.1 U2.T17 Y1.1